# KiCad board alpha-curISO_routing.kicad_pcb
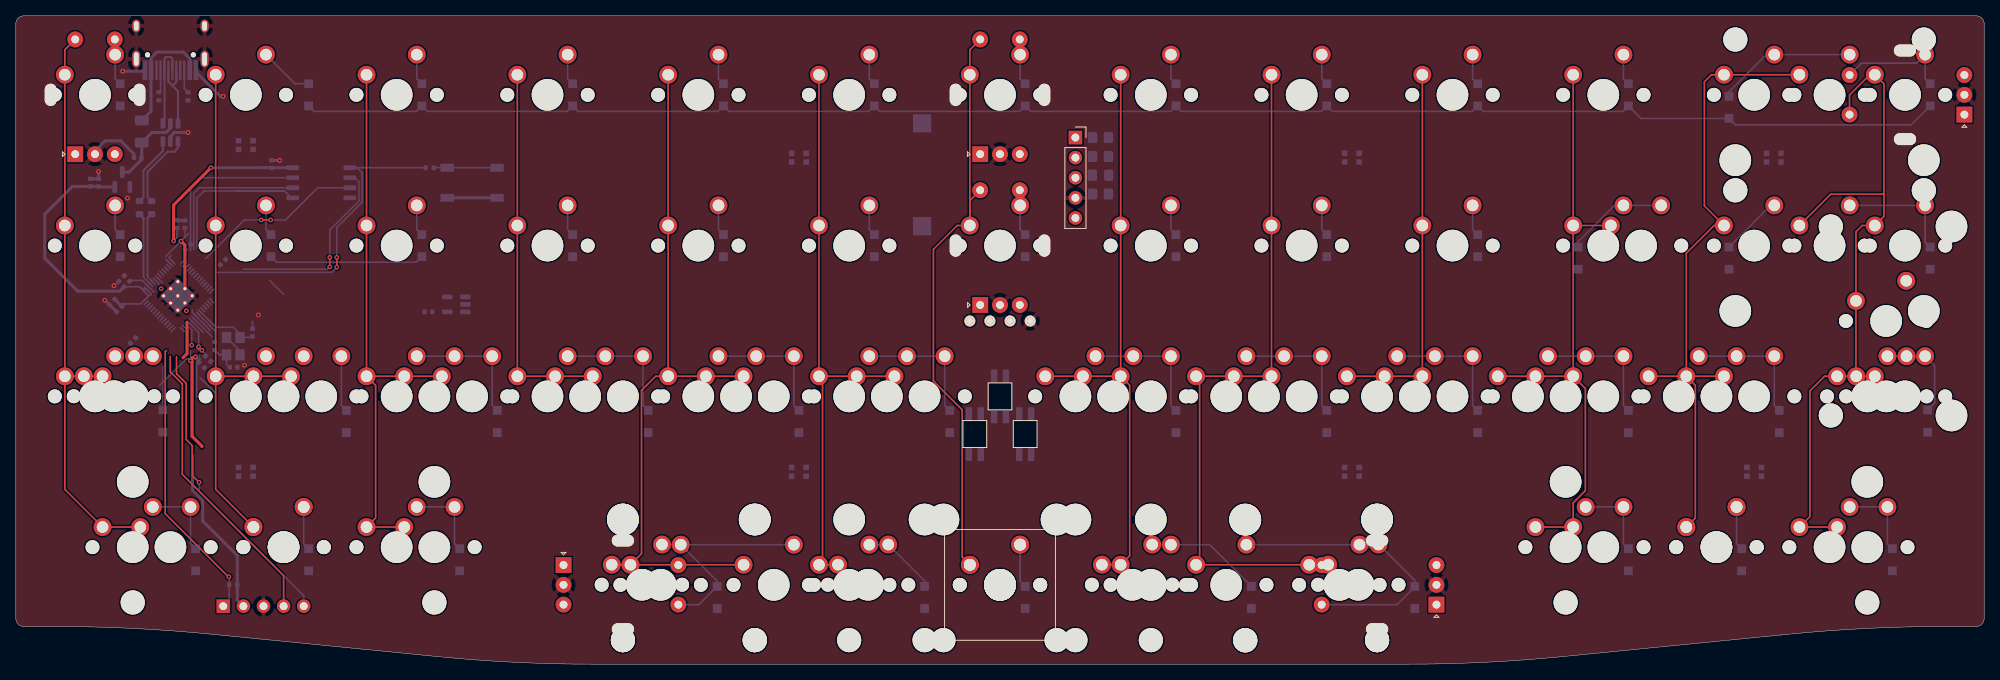
[diagram p0: board, top side]
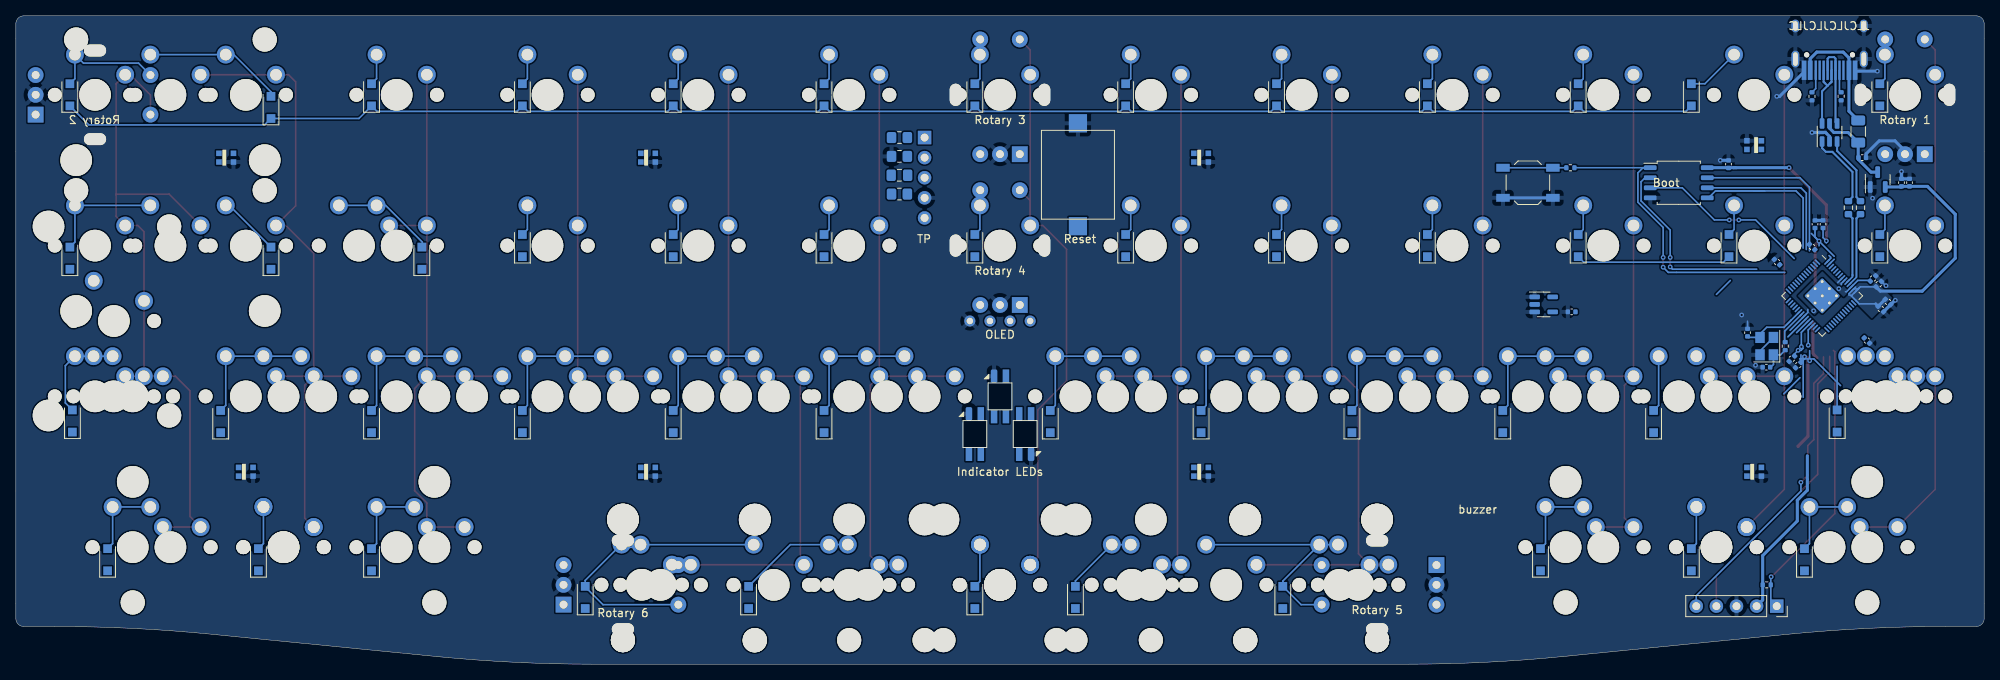
[diagram p1: board, bottom side, seen from below]

Outline 248.6 x 81.91 mm; copper layers: Top, Bottom. Coordinates in mm from the lower left corner of the outline.
Outline path: 0,80.91 0,79.03 0,64.79 0,21.88 0,5.76 arc(0.29,5.06) 1,4.76 4.89,4.76 arc(14.82,4.52) 24.74,3.78 53.18,0.97 arc(62.95,0.24) 72.74,0 175.86,0 arc(185.65,0.24) 195.42,0.97 223.86,3.78 arc(233.78,4.52) 243.72,4.76 247.6,4.76 arc(248.31,5.06) 248.6,5.76 248.6,80.91 arc(248.31,81.62) 247.6,81.91 1,81.91 arc(0.29,81.62) 0,80.91
Stack: Top 0.035mm / dielectric 1.51mm FR4 er 4.5 / Bottom 0.035mm

## Placement (name value [footprint] x y rotation side)
C1  22pF  [C_0402_1005Metric]  27.51 37.52 180 bottom
C2  22pF  [C_0402_1005Metric]  29.89 41.89 270 bottom
C3  100nF  [C_0402_1005Metric]  32.29 63.17 90 bottom
C4  1uF  [C_0402_1005Metric]  15.4 64 180 bottom
C5  1uF  [C_0402_1005Metric]  9.43 60.84 90 bottom
C6  10uF  [C_0402_1005Metric]  10.44 60.84 90 bottom
C7  1uF  [C_0402_1005Metric]  13.32 48.01 135 bottom
C8  100nF  [C_0402_1005Metric]  13.05 44.87 225 bottom
C9  100nF  [C_0402_1005Metric]  24.29 38.6 315 bottom
C10  1uF  [C_0402_1005Metric]  14.04 48.73 135 bottom
C11  100nF  [C_0402_1005Metric]  14.81 40.89 225 bottom
C12  100nF  [C_0402_1005Metric]  21.37 55.59 90 bottom
C13  100nF  [C_0402_1005Metric]  26.16 50.8 45 bottom
C14  100nF  [C_0402_1005Metric]  23.48 37.79 315 bottom
C15  100nF  [C_0402_1005Metric]  20.35 55.59 90 bottom
C16  100nF  [C_0402_1005Metric]  12.15 45.77 225 bottom
C17  100nF  [C_0402_1005Metric]  21.73 52.71 45 bottom
C18  2.2uF  [C_0805_2012Metric_Pad1.18x1.45mm_HandSolder]  137 61.77 180 bottom
C19  100nF  [C_0402_1005Metric]  52.1 44.51 180 bottom
D1  D_Small  [D_SOD-123F]  13.18 71.93 90 bottom
D2  D_Small  [D_SOD-123F]  13.18 52.88 90 bottom
D3  D_Small  [D_SOD-123F]  18.57 30.72 90 bottom
D4  D_Small  [D_SOD-123F]  22.7 13.2 90 bottom
D5  D_Small  [D_SOD-123F]  36.99 71.93 90 bottom
D6  D_Small  [D_SOD-123F]  32.23 52.88 90 bottom
D7  D_Small  [D_SOD-123F]  41.75 30.66 90 bottom
D8  D_Small  [D_SOD-123F]  36.99 13.2 90 bottom
D9  D_Small  [D_SOD-123F]  51.27 71.93 90 bottom
D10  D_Small  [D_SOD-123F]  51.27 52.88 90 bottom
D11  D_Small  [D_SOD-123F]  60.8 30.66 90 bottom
D12  D_Small  [D_SOD-123F]  56.04 13.2 90 bottom
D13  D_Small  [D_SOD-123F]  70.32 71.93 90 bottom
D14  D_Small  [D_SOD-123F]  70.32 52.88 90 bottom
D15  D_Small  [D_SOD-123F]  79.85 30.66 90 bottom
D16  D_Small  [D_SOD-123F]  89.38 71.93 90 bottom
D17  D_Small  [D_SOD-123F]  89.38 52.88 90 bottom
D18  D_Small  [D_SOD-123F]  98.9 30.66 90 bottom
D19  D_Small  [D_SOD-123F]  88.58 8.43 90 bottom
D20  D_Small  [D_SOD-123F]  108.42 71.93 90 bottom
D21  D_Small  [D_SOD-123F]  108.42 52.88 90 bottom
D22  D_Small  [D_SOD-123F]  117.95 30.66 90 bottom
D23  D_Small  [D_SOD-123F]  114.78 8.43 90 bottom
D24  D_Small  [D_SOD-123F]  127.47 8.43 90 bottom
D25  D_Small  [D_SOD-123F]  127.47 71.93 90 bottom
D26  D_Small  [D_SOD-123F]  127.47 52.88 90 bottom
D27  D_Small  [D_SOD-123F]  146.53 71.93 90 bottom
D28  D_Small  [D_SOD-123F]  146.53 52.88 90 bottom
D29  D_Small  [D_SOD-123F]  146.53 30.66 90 bottom
D30  D_Small  [D_SOD-123F]  156.05 8.43 90 bottom
D31  D_Small  [D_SOD-123F]  165.57 71.93 90 bottom
D32  D_Small  [D_SOD-123F]  165.57 52.88 90 bottom
D33  D_Small  [D_SOD-123F]  165.57 30.66 90 bottom
D34  D_Small  [D_SOD-123F]  176.69 8.43 90 bottom
D35  D_Small  [D_SOD-123F]  184.62 71.93 90 bottom
D36  D_Small  [D_SOD-123F]  184.62 52.88 90 bottom
D37  D_Small  [D_SOD-123F]  184.62 30.66 90 bottom
D38  D_Small  [D_SOD-123F]  203.67 71.93 90 bottom
D39  D_Small  [D_SOD-123F]  197.32 51.3 90 bottom
D40  D_Small  [D_SOD-123F]  203.67 30.66 90 bottom
D41  D_Small  [D_SOD-123F]  203.67 13.2 90 bottom
D42  D_Small  [D_SOD-123F]  216.38 70.35 90 bottom
D43  D_Small  [D_SOD-123F]  216.38 51.3 90 bottom
D44  D_Small  [D_SOD-123F]  222.72 30.66 90 bottom
D45  D_Small  [D_SOD-123F]  217.96 13.2 90 bottom
D46  D_Small  [D_SOD-123F]  241.78 71.93 90 bottom
D47  D_Small  [D_SOD-123F]  241.78 51.3 90 bottom
D48  D_Small  [D_SOD-123F]  241.46 30.72 90 bottom
D49  D_Small  [D_SOD-123F]  237.01 13.2 90 bottom
F1  500mA  [Fuse_1206_3216Metric]  15.91 67.3 270 bottom
J1  SWD  [PinSocket_1x05_P2.54mm_Vertical]  26.2 7.33 270 bottom
J2  SWD  [PinSocket_1x05_P2.54mm_Vertical]  133.82 66.54 0 top
LED1  YS-SK6812MINI-E  [SK6812-MINI-E]  121.12 29.07 270 bottom
LED2  YS-SK6812MINI-E  [SK6812-MINI-E]  124.3 33.83 90 bottom
LED3  YS-SK6812MINI-E  [SK6812-MINI-E]  127.47 29.07 90 bottom
LED4  YS-SK6812MINI-E  [WS2812-2020]  98.9 64 0 bottom
LED5  YS-SK6812MINI-E  [WS2812-2020]  168.75 64 0 bottom
LED6  YS-SK6812MINI-E  [WS2812-2020]  222.03 64 0 bottom
LED7  YS-SK6812MINI-E  [WS2812-2020]  219.55 24.31 0 bottom
LED8  YS-SK6812MINI-E  [WS2812-2020]  168.75 24.31 0 bottom
LED9  YS-SK6812MINI-E  [WS2812-2020]  98.9 24.31 0 bottom
LED10  YS-SK6812MINI-E  [WS2812-2020]  29.05 24.31 0 bottom
LED11  YS-SK6812MINI-E  [WS2812-2020]  29.05 65.58 180 bottom
LS1  Speaker  [AST1109MLTRQ]  114.46 61.84 90 bottom
OL1  OLED  [OLED_v2]  124.3 43.36 0 top
R1  27R  [R_0603_1608Metric]  17.14 57.68 270 bottom
R2  27R  [R_0603_1608Metric]  15.62 57.68 270 bottom
R3  1k  [R_0402_1005Metric]  27.46 10.02 180 bottom
R4  5k1  [R_0402_1005Metric]  18.06 71.74 270 bottom
R5  5k1  [R_0402_1005Metric]  21.75 71.74 270 bottom
R6  1k  [R_0402_1005Metric]  52.26 62.72 180 bottom
R7  1k  [R_0402_1005Metric]  25.13 40.18 90 bottom
SW1  SW_Push_45deg  [MXOnly-1U-NoLED]  10 71.93 0 top
SW2  SW_Push_45deg  [MXOnly-1U-NoLED]  29.05 71.93 0 top
SW3  SW_Push_45deg  [MXOnly-1U-NoLED]  48.1 71.93 0 top
SW4  SW_Push_45deg  [MXOnly-1U-NoLED]  67.15 71.93 0 top
SW5  SW_Push_45deg  [MXOnly-1U-NoLED]  86.2 71.93 0 top
SW6  SW_Push_45deg  [MXOnly-1U-NoLED]  105.25 71.93 0 top
SW7  SW_Push_45deg  [MXOnly-1U-NoLED]  124.3 71.93 0 top
SW8  SW_Push_45deg  [MXOnly-1U-NoLED]  143.35 71.93 0 top
SW9  SW_Push_45deg  [MXOnly-1U-NoLED]  162.4 71.93 0 top
SW10  SW_Push_45deg  [MXOnly-1U-NoLED]  181.45 71.93 0 top
SW11  SW_Push_45deg  [MXOnly-1U-NoLED]  200.5 71.93 0 top
SW12  SW_Push_45deg  [MXOnly-1U-NoLED]  219.55 71.93 0 top
SW12(2)1  SW_Push_45deg  [MXOnly-2U-NoLED]  229.07 71.93 0 top
SW13  SW_Push_45deg  [MXOnly-1U-NoLED]  238.6 71.93 0 top
SW14  SW_Push_45deg  [MXOnly-1U-NoLED]  10 52.88 0 top
SW15  SW_Push_45deg  [MXOnly-1U-NoLED]  29.05 52.88 0 top
SW16  SW_Push_45deg  [MXOnly-1U-NoLED]  48.1 52.88 0 top
SW17  SW_Push_45deg  [MXOnly-1U-NoLED]  67.15 52.88 0 top
SW18  SW_Push_45deg  [MXOnly-1U-NoLED]  86.2 52.88 0 top
SW19  SW_Push_45deg  [MXOnly-1U-NoLED]  105.25 52.88 0 top
SW20  SW_Push_45deg  [MXOnly-1U-NoLED]  124.3 52.88 0 top
SW21  SW_Push_45deg  [MXOnly-1U-NoLED]  143.35 52.88 0 top
SW22  SW_Push_45deg  [MXOnly-1U-NoLED]  162.4 52.88 0 top
SW23  SW_Push_45deg  [MXOnly-1U-NoLED]  181.45 52.88 0 top
SW24  SW_Push_45deg  [MXOnly-1U-NoLED]  200.5 52.88 0 top
SW24(1.5)1  SW_Push_45deg  [MXOnly-1.5U-NoLED]  205.26 52.88 0 top
SW25  SW_Push_45deg  [MXOnly-1U-NoLED]  219.55 52.88 0 top
SW26  SW_Push_45deg  [MXOnly-1U-NoLED]  238.6 52.88 0 top
SW26(2)1  SW_Push_45deg  [MXOnly-2U-NoLED]  229.07 52.88 0 top
SW26(ISO)1  SW_Push_45deg  [MXOnly-ISO-NoLED]  236.22 43.36 0 top
SW27  SW_Push  [SW_SPST_TL3342]  57.63 60.82 0 bottom
SW27(1.5)1  SW_Push_45deg  [MXOnly-1.5U-NoLED]  14.76 33.83 0 top
SW27(1.25)1  SW_Push_45deg  [MXOnly-1.25U-NoLED]  12.4 33.85 0 top
SW27(ortho)1  SW_Push_45deg  [MXOnly-1U-NoLED]  10 33.83 0 top
SW28  SW_Push_45deg  [MXOnly-1U-NoLED]  33.81 33.83 0 top
SW28(1.5stagger)1  SW_Push_45deg  [MXOnly-1U-NoLED]  38.58 33.83 0 top
SW28(ortho)1  SW_Push_45deg  [MXOnly-1U-NoLED]  29.05 33.83 0 top
SW29  SW_Push_45deg  [MXOnly-1U-NoLED]  52.86 33.83 0 top
SW29(1.5stagger)1  SW_Push_45deg  [MXOnly-1U-NoLED]  57.63 33.83 0 top
SW29(ortho)1  SW_Push_45deg  [MXOnly-1U-NoLED]  48.1 33.83 0 top
SW30  SW_Push_45deg  [MXOnly-1U-NoLED]  71.91 33.83 0 top
SW30(1.5stagger)1  SW_Push_45deg  [MXOnly-1U-NoLED]  76.68 33.83 0 top
SW30(ortho)1  SW_Push_45deg  [MXOnly-1U-NoLED]  67.15 33.83 0 top
SW31  SW_Push_45deg  [MXOnly-1U-NoLED]  90.96 33.83 0 top
SW31(1.5stagger)1  SW_Push_45deg  [MXOnly-1U-NoLED]  95.72 33.83 0 top
SW31(ortho)1  SW_Push_45deg  [MXOnly-1U-NoLED]  86.2 33.83 0 top
SW32  SW_Push_45deg  [MXOnly-1U-NoLED]  110.01 33.83 0 top
SW32(1.5stagger)1  SW_Push_45deg  [MXOnly-1U-NoLED]  114.78 33.83 0 top
SW32(ortho)1  SW_Push_45deg  [MXOnly-1U-NoLED]  105.25 33.83 0 top
SW33  SW_Push_45deg  [MXOnly-1U-NoLED]  138.59 33.83 0 top
SW33(1.5stagger)1  SW_Push_45deg  [MXOnly-1U-NoLED]  133.82 33.83 0 top
SW33(ortho)1  SW_Push_45deg  [MXOnly-1U-NoLED]  143.35 33.83 0 top
SW34  SW_Push_45deg  [MXOnly-1U-NoLED]  157.64 33.83 0 top
SW34(1.5stagger)1  SW_Push_45deg  [MXOnly-1U-NoLED]  152.88 33.83 0 top
SW34(ortho)1  SW_Push_45deg  [MXOnly-1U-NoLED]  162.4 33.83 0 top
SW35  SW_Push_45deg  [MXOnly-1U-NoLED]  176.69 33.83 0 top
SW35(1.5stagger)1  SW_Push_45deg  [MXOnly-1U-NoLED]  171.92 33.83 0 top
SW35(ortho)1  SW_Push_45deg  [MXOnly-1U-NoLED]  181.45 33.83 0 top
SW36  SW_Push_45deg  [MXOnly-1U-NoLED]  195.74 33.83 0 top
SW36(1.5stagger)1  SW_Push_45deg  [MXOnly-1U-NoLED]  190.97 33.83 0 top
SW36(ortho)1  SW_Push_45deg  [MXOnly-1U-NoLED]  200.5 33.83 0 top
SW37  SW_Push_45deg  [MXOnly-1U-NoLED]  214.79 33.83 0 top
SW37(1.5stagger)1  SW_Push_45deg  [MXOnly-1U-NoLED]  210.03 33.83 0 top
SW37(ortho)1  SW_Push_45deg  [MXOnly-1U-NoLED]  219.55 33.83 0 top
SW38(1.5)1  SW_Push_45deg  [MXOnly-1.5U-NoLED]  233.84 33.83 0 top
SW38(1.25)1  SW_Push_45deg  [MXOnly-1.25U-NoLED]  236.25 33.83 0 top
SW38(ortho)1  SW_Push_45deg  [MXOnly-1U-NoLED]  238.6 33.83 0 top
SW39  SW_Push_45deg  [MXOnly-1U-NoLED]  14.76 14.78 0 top
SW39(1.5)1  SW_Push_45deg  [MXOnly-1.5U-NoLED]  19.52 14.78 0 top
SW40  SW_Push_45deg  [MXOnly-1U-NoLED]  33.81 14.78 0 top
SW40(3)1  SW_Push_45deg  [MXOnly-3U-ReversedStabilizers-NoLED]  33.81 14.78 0 top
SW41  SW_Push_45deg  [MXOnly-1U-NoLED]  52.86 14.78 0 top
SW41(1.5)1  SW_Push_45deg  [MXOnly-1.5U-NoLED]  48.1 14.78 0 top
SW42(1.5)1  SW_Push_45deg  [MXOnly-1.5U-NoLED]  81.44 10.02 0 top
SW42(1.25)1  SW_Push_45deg  [MXOnly-1.25U-NoLED]  79.07 10.03 0 top
SW42(3)1  SW_Push_45deg  [MXOnly-3U-ReversedStabilizers-NoLED]  95.72 10.02 0 top
SW43(1.75)1  SW_Push_45deg  [MXOnly-1.75U-NoLED]  107.65 10.03 0 top
SW43(2)1  SW_Push_45deg  [MXOnly-2U-ReversedStabilizers-NoLED]  105.25 10.02 0 top
SW44(3)1  SW_Push_45deg  [MXOnly-3U-ReversedStabilizers-NoLED]  124.3 10.02 0 top
SW44(4)1  SW_Push_45deg  [CherryMX_4.00u]  124.3 10.02 0 top
SW44(6)1  SW_Push_45deg  [MXOnly-6U-Centered-ReversedStabilizers-NoLED]  124.3 10.02 0 top
SW45(1.75)1  SW_Push_45deg  [MXOnly-1.75U-NoLED]  140.98 10.03 0 top
SW45(2)1  SW_Push_45deg  [MXOnly-2U-ReversedStabilizers-NoLED]  143.35 10.02 0 top
SW46(1.5)1  SW_Push_45deg  [MXOnly-1.5U-NoLED]  167.16 10.02 0 top
SW46(1.25)1  SW_Push_45deg  [MXOnly-1.25U-NoLED]  169.56 10.03 0 top
SW46(3)1  SW_Push_45deg  [MXOnly-3U-ReversedStabilizers-NoLED]  152.88 10.02 0 top
SW47  SW_Push_45deg  [MXOnly-1U-NoLED]  195.74 14.78 0 top
SW47(1.5)1  SW_Push_45deg  [MXOnly-1.5U-NoLED]  200.5 14.78 0 top
SW48  SW_Push_45deg  [MXOnly-1U-NoLED]  214.79 14.78 0 top
SW48(3)1  SW_Push_45deg  [MXOnly-3U-ReversedStabilizers-NoLED]  214.79 14.78 0 top
SW49  SW_Push_45deg  [MXOnly-1U-NoLED]  233.84 14.78 0 top
SW49(1.5)1  SW_Push_45deg  [MXOnly-1.5U-NoLED]  229.07 14.78 0 top
SW_rotary1  RotaryEncoder_Switch  [RotaryEncoder_EC11_Nonplated]  10 71.93 90 top
SW_rotary2  RotaryEncoder_Switch  [RotaryEncoder_EC11_Nonplated]  238.6 71.93 180 top
SW_rotary3  RotaryEncoder_Switch  [RotaryEncoder_EC11_Nonplated]  124.3 71.93 90 top
SW_rotary4  RotaryEncoder_Switch  [RotaryEncoder_EC11_Nonplated]  124.3 52.88 90 top
SW_rotary5  RotaryEncoder_Switch  [RotaryEncoder_EC11_Nonplated]  76.68 10.02 0 top
SW_rotary6  RotaryEncoder_Switch  [RotaryEncoder_EC11_Nonplated]  171.92 10.02 180 top
U1  RP2040  [RP2040-QFN-56]  20.46 46.53 225 bottom
U2  W25Q128JVS  [SOIC-8_5.23x5.23mm_P1.27mm]  38.58 60.82 180 bottom
U3  XC6206PxxxMR  [SOT-23]  13.45 61.23 90 bottom
U4  USBLC6-2SC6  [SOT-23-6]  19.52 67.17 90 bottom
U5  74AHCT1G125  [TSOT-23-5]  55.63 45.45 180 bottom
UR1  100k  [R_0805_2012Metric_Pad1.20x1.40mm_HandSolder]  137 64.15 0 bottom
UR2  4.7k  [R_0805_2012Metric_Pad1.20x1.40mm_HandSolder]  137 66.54 0 bottom
UR3  4.7k  [R_0805_2012Metric_Pad1.20x1.40mm_HandSolder]  137 59.39 180 bottom
USB1  HRO-TYPE-C-31-M-12  [HRO-TYPE-C-31-M-12-HandSoldering]  19.52 83.23 0 bottom
Y1  12MHz  [Crystal_SMD_3225-4Pin_3.2x2.5mm]  27.46 40.18 90 bottom

## Footprints (pads in the part's own frame, mm; a bottom-side part is the same pattern mirrored in y, then rotated)
AST1109MLTRQ
  rect 2.3x2.3 smd: 1(-6.5,0) 2(6.5,0)
C_0402_1005Metric
  rrect 0.56x0.62 smd: 1(-0.48,0) 2(0.48,0)
C_0805_2012Metric_Pad1.18x1.45mm_HandSolder
  rrect 1.175x1.45 smd: 1(-1.038,0) 2(1.038,0)
CherryMX_4.00u
  round 3.988 hole 3.988 unplated: (-30.988,8.255) (30.988,8.23)
  round 3.048 hole 3.048 unplated: (-30.988,-6.985) (30.988,-7.01)
  round 4 hole 4 unplated: (0,0)
  round 2.2 hole 1.5: 1(-3.81,2.54) 2(2.54,5.08)
Crystal_SMD_3225-4Pin_3.2x2.5mm
  rect 1.4x1.2 smd: 1(-1.1,-0.85) 2(1.1,-0.85) 3(1.1,0.85) 4(-1.1,0.85)
D_SOD-123F
  rect 1.1x1.1 smd: 1(-1.4,0) 2(1.4,0)
Fuse_1206_3216Metric
  rrect 1.25x1.75 smd: 1(-1.4,0) 2(1.4,0)
HRO-TYPE-C-31-M-12-HandSoldering
  round 0.65 hole 0.65 unplated: (-2.89,6.25) (2.89,6.25)
  rect 0.6x2.45 smd: 1(-3.225,8.195) 2(-2.45,8.195) 11(2.45,8.195) 12(3.225,8.195)
  rect 0.3x2.45 smd: 3(-1.75,8.195) 4(-1.25,8.195) 5(-0.75,8.195) 6(-0.25,8.195) 7(0.25,8.195) 8(0.75,8.195) 9(1.25,8.195) 10(1.75,8.195)
  oval 1x1.6 hole 0.6x1.2: 13(-4.32,2.6) 13(4.32,2.6)
  oval 1x2.1 hole 0.6x1.7: 13(-4.32,6.78) 13(4.32,6.78)
MXOnly-1.5U-NoLED
  round 1.75 hole 1.75 unplated: (-5.08,0) (5.08,0)
  round 3.988 hole 3.988 unplated: (0,0)
  round 2.25 hole 1.47: 1(-3.81,2.54) 2(2.54,5.08)
MXOnly-1.25U-NoLED
  round 1.75 hole 1.75 unplated: (-5.08,0) (5.08,0)
  round 3.988 hole 3.988 unplated: (0,0)
  round 2.25 hole 1.47: 1(-3.81,2.54) 2(2.54,5.08)
MXOnly-1.75U-NoLED
  round 1.75 hole 1.75 unplated: (-5.08,0) (5.08,0)
  round 3.988 hole 3.988 unplated: (0,0)
  round 2.25 hole 1.47: 1(-3.81,2.54) 2(2.54,5.08)
MXOnly-1U-NoLED
  round 1.75 hole 1.75 unplated: (-5.08,0) (5.08,0)
  round 3.988 hole 3.988 unplated: (0,0)
  round 2.25 hole 1.47: 1(-3.81,2.54) 2(2.54,5.08)
MXOnly-2U-NoLED
  round 3.048 hole 3.048 unplated: (-11.906,6.985) (11.906,6.985)
  round 3.988 hole 3.988 unplated: (-11.906,-8.255) (0,0) (11.906,-8.255)
  round 1.75 hole 1.75 unplated: (-5.08,0) (5.08,0)
  round 2.25 hole 1.47: 1(-3.81,2.54) 2(2.54,5.08)
MXOnly-2U-ReversedStabilizers-NoLED
  round 3.988 hole 3.988 unplated: (-11.906,8.255) (0,0) (11.906,8.255)
  round 3.048 hole 3.048 unplated: (-11.906,-6.985) (11.906,-6.985)
  round 1.75 hole 1.75 unplated: (-5.08,0) (5.08,0)
  round 2.25 hole 1.47: 1(-3.81,2.54) 2(2.54,5.08)
MXOnly-3U-ReversedStabilizers-NoLED
  round 3.988 hole 3.988 unplated: (-19.05,8.255) (0,0) (19.05,8.255)
  round 3.048 hole 3.048 unplated: (-19.05,-6.985) (19.05,-6.985)
  round 1.75 hole 1.75 unplated: (-5.08,0) (5.08,0)
  round 2.25 hole 1.47: 1(-3.81,2.54) 2(2.54,5.08)
MXOnly-6U-Centered-ReversedStabilizers-NoLED
  round 3.988 hole 3.988 unplated: (-47.625,8.255) (0,0) (47.625,8.255)
  round 3.048 hole 3.048 unplated: (-47.625,-6.985) (47.625,-6.985)
  round 1.75 hole 1.75 unplated: (-5.08,0) (5.08,0)
  round 2.25 hole 1.47: 1(-3.81,2.54) 2(2.54,5.08)
MXOnly-ISO-NoLED
  round 3.048 hole 3.048 unplated: (-6.985,11.938) (-6.985,-11.938)
  round 1.75 hole 1.75 unplated: (-5.08,0) (5.08,0)
  round 3.988 hole 3.988 unplated: (0,0) (8.255,11.938) (8.255,-11.938)
  round 2.25 hole 1.47: 1(-3.81,2.54) 2(2.54,5.08)
OLED_v2
  round 1.397 hole 0.813: 1(-3.81,0) 2(-1.27,0) 3(1.27,0) 4(3.81,0)
PinSocket_1x05_P2.54mm_Vertical
  rect 1.7x1.7 hole 1: 1(0,0)
  oval 1.7x1.7 hole 1: 2(0,-2.54) 3(0,-5.08) 4(0,-7.62) 5(0,-10.16)
R_0402_1005Metric
  rrect 0.54x0.64 smd: 1(-0.51,0) 2(0.51,0)
R_0603_1608Metric
  rrect 0.8x0.95 smd: 1(-0.825,0) 2(0.825,0)
R_0805_2012Metric_Pad1.20x1.40mm_HandSolder
  rrect 1.2x1.4 smd: 1(-1,0) 2(1,0)
RotaryEncoder_EC11_Nonplated
  oval 3.2x2 hole 2.8x1.5 unplated: (0,5.6) (0,-5.6)
  rect 2x2 hole 1: A(-7.5,2.5)
  round 2 hole 1: B(-7.5,-2.5) C(-7.5,0) S1(7,-2.5) S2(7,2.5)
RP2040-QFN-56
  rrect 1.084x1.084 smd: (-0.637,-0.637) (-0.637,0.637) (0.637,-0.637) (0.637,0.637)
  rrect 0.875x0.2 smd: 1(-3.438,2.6) 2(-3.438,2.2) 3(-3.438,1.8) 4(-3.438,1.4) 5(-3.438,1) 6(-3.438,0.6) 7(-3.438,0.2) 8(-3.438,-0.2) 9(-3.438,-0.6) 10(-3.438,-1) 11(-3.438,-1.4) 12(-3.438,-1.8) 13(-3.438,-2.2) 14(-3.438,-2.6) 29(3.438,-2.6) 30(3.438,-2.2) 31(3.438,-1.8) 32(3.438,-1.4) 33(3.438,-1) 34(3.438,-0.6) 35(3.438,-0.2) 36(3.438,0.2) 37(3.438,0.6) 38(3.438,1) 39(3.438,1.4) 40(3.438,1.8) 41(3.438,2.2) 42(3.438,2.6)
  rrect 0.2x0.875 smd: 15(-2.6,-3.438) 16(-2.2,-3.438) 17(-1.8,-3.438) 18(-1.4,-3.438) 19(-1,-3.438) 20(-0.6,-3.438) 21(-0.2,-3.438) 22(0.2,-3.438) 23(0.6,-3.438) 24(1,-3.438) 25(1.4,-3.438) 26(1.8,-3.438) 27(2.2,-3.438) 28(2.6,-3.438) 43(2.6,3.438) 44(2.2,3.438) 45(1.8,3.438) 46(1.4,3.438) 47(1,3.438) 48(0.6,3.438) 49(0.2,3.438) 50(-0.2,3.438) 51(-0.6,3.438) 52(-1,3.438) 53(-1.4,3.438) 54(-1.8,3.438) 55(-2.2,3.438) 56(-2.6,3.438)
  round 0.6 hole 0.35: 57(-1.275,-1.275) 57(-1.275,0) 57(-1.275,1.275) 57(0,-1.275) 57(0,0) 57(0,1.275) 57(1.275,-1.275) 57(1.275,0) 57(1.275,1.275)
  rrect 3.2x3.2 smd: 57(0,0)
SK6812-MINI-E
  rect 1.7x0.82 smd: 1(-2.55,-0.75) 2(-2.55,0.75) 4(2.55,-0.75)
  rrect 1.7x0.82 smd: 3(2.55,0.75)
SOIC-8_5.23x5.23mm_P1.27mm
  rrect 1.6x0.6 smd: 1(-3.6,1.905) 2(-3.6,0.635) 3(-3.6,-0.635) 4(-3.6,-1.905) 5(3.6,-1.905) 6(3.6,-0.635) 7(3.6,0.635) 8(3.6,1.905)
SOT-23
  rrect 1.475x0.6 smd: 1(-0.938,0.95) 2(-0.938,-0.95) 3(0.938,0)
SOT-23-6
  rrect 1.325x0.6 smd: 1(-1.137,0.95) 2(-1.137,0) 3(-1.137,-0.95) 4(1.137,-0.95) 5(1.137,0) 6(1.137,0.95)
SW_SPST_TL3342
  rect 1.7x1 smd: 1(-3.15,1.9) 1(3.15,1.9) 2(-3.15,-1.9) 2(3.15,-1.9)
TSOT-23-5
  rrect 1.325x0.6 smd: 1(-1.137,0.95) 2(-1.137,0) 3(-1.137,-0.95) 4(1.137,-0.95) 5(1.137,0.95)
WS2812-2020
  rect 0.7x0.7 smd: 1(0.915,-0.55) 2(0.915,0.55) 3(-0.915,0.55) 4(-0.915,-0.55)

## Nets
+1V1: C10.1 C12.1 C14.1 U1.23 U1.45 U1.50
+3V3: C3.1 C5.1 C6.1 C7.1 C8.1 C9.1 C11.1 C13.1 C15.1 C16.1 C17.1 J1.2 R3.1 U1.1 U1.10 U1.22 U1.33 U1.42 U1.43 U1.44 U1.48 U1.49 U2.8 U3.2
+5V: C4.1 C18.1 C19.2 F1.2 J2.5 LED1.1 LED2.1 LED3.1 LED4.1 LED5.1 LED6.1 LED7.1 LED8.1 LED9.1 LED10.1 LED11.1 OL1.3 U3.3 U4.5 U5.5 UR2.2 UR3.1
GND: C1.1 C2.1 C3.2 C4.2 C5.2 C6.2 C7.2 C8.2 C9.2 C10.2 C11.2 C12.2 C13.2 C14.2 C15.2 C16.2 C17.2 C19.1 J1.3 J2.4 LED1.3 LED2.3 LED3.3 LED4.3 LED5.3 LED6.3 LED7.3 LED8.3 LED9.3 LED10.3 LED11.3 LS1.2 OL1.4 R4.2 R5.2 SW27.1 SW_rotary1.C SW_rotary2.C SW_rotary3.C SW_rotary4.C SW_rotary5.C SW_rotary6.C U1.19 U1.57 U2.4 U3.1 U4.2 U5.1 U5.3 UR1.2 USB1.1 USB1.12 USB1.13 Y1.2 Y1.4
VBUS: F1.1 USB1.2 USB1.11
/D_+: R1.2 U1.47
/D_-: R2.2 U1.46
/rp2040 components/CC1: R4.1 USB1.4
/rp2040 components/CC2: R5.1 USB1.10
/rp2040 components/USB_BOOT: R6.1 SW27.2
/rp2040 components/XTAL_O: C1.2 R7.1 Y1.1
COL0: SW1.1 SW14.1 SW27(1.5)1.1 SW27(1.25)1.1 SW27(ortho)1.1 SW39.1 SW39(1.5)1.1 SW_rotary1.S2 U1.5
COL1: SW2.1 SW15.1 SW28.1 SW28(1.5stagger)1.1 SW28(ortho)1.1 SW40.1 SW40(3)1.1 U1.4
COL2: SW3.1 SW16.1 SW29.1 SW29(1.5stagger)1.1 SW29(ortho)1.1 SW41.1 SW41(1.5)1.1 U1.3
COL3: SW4.1 SW17.1 SW30.1 SW30(1.5stagger)1.1 SW30(ortho)1.1 U1.2
COL4: SW5.1 SW18.1 SW31.1 SW31(1.5stagger)1.1 SW31(ortho)1.1 SW42(1.5)1.1 SW42(1.25)1.1 SW42(3)1.1 SW_rotary5.S2 U1.11
COL5: SW6.1 SW19.1 SW32.1 SW32(1.5stagger)1.1 SW32(ortho)1.1 SW43(1.75)1.1 SW43(2)1.1 U1.13
COL6: SW7.1 SW20.1 SW44(3)1.1 SW44(4)1.1 SW44(6)1.1 SW_rotary3.S2 SW_rotary4.S2 U1.12
COL7: SW8.1 SW21.1 SW33.1 SW33(1.5stagger)1.1 SW33(ortho)1.1 SW45(1.75)1.1 SW45(2)1.1 U1.9
COL8: SW9.1 SW22.1 SW34.1 SW34(1.5stagger)1.1 SW34(ortho)1.1 SW46(1.5)1.1 SW46(1.25)1.1 SW46(3)1.1 SW_rotary6.S1 U1.8
COL9: SW10.1 SW23.1 SW35.1 SW35(1.5stagger)1.1 SW35(ortho)1.1 U1.7
COL10: SW11.1 SW24.1 SW24(1.5)1.1 SW36.1 SW36(1.5stagger)1.1 SW36(ortho)1.1 SW47.1 SW47(1.5)1.1 U1.6
COL11: SW12.1 SW12(2)1.1 SW25.1 SW37.1 SW37(1.5stagger)1.1 SW37(ortho)1.1 SW48.1 SW48(3)1.1 U1.15
COL12: SW13.1 SW26.1 SW26(2)1.1 SW26(ISO)1.1 SW38(1.5)1.1 SW38(1.25)1.1 SW38(ortho)1.1 SW49.1 SW49(1.5)1.1 SW_rotary2.S2 U1.16
CS: R6.2 U1.56 U2.1
D_N: R2.1 U4.3
D_P: R1.1 U4.1
D_USB_N: U4.4 USB1.5 USB1.7
D_USB_P: U4.6 USB1.6 USB1.8
PD2: J2.1 SW_rotary3.B U1.17 UR2.1
PD5: J2.3 SW_rotary3.A U1.18 UR3.2
QSPI_CLK: U1.52 U2.6
R1_A: SW_rotary1.A U1.40
R1_B: SW_rotary1.B U1.39
R2_A: SW_rotary2.A U1.28
R2_B: SW_rotary2.B U1.29
R5_A: LS1.1 SW_rotary5.A U1.37
R5_B: SW_rotary5.B U1.38
R6_A: SW_rotary6.A U1.30
R6_B: SW_rotary6.B U1.31
R_col6: D34.2 SW46(1.5)1.2 SW46(1.25)1.2 SW46(3)1.2 SW_rotary6.S2
R_row1: D1.2 SW1.2 SW_rotary1.S1
R_row2: D46.2 SW13.2 SW_rotary2.S1
R_row3: D25.2 SW7.2 SW_rotary3.S1
R_row4: D26.2 SW20.2 SW_rotary4.S1
R_row5: D19.2 SW42(1.5)1.2 SW42(1.25)1.2 SW42(3)1.2 SW_rotary5.S1
RESET: J1.1 R3.2 U1.26
rgb indicators: LED1.4 LED11.2
RGB MCU: U1.27 U5.2
rgb underglow: LED4.4 U5.4
ROW0: D1.1 D5.1 D9.1 D13.1 D16.1 D20.1 D25.1 D27.1 D31.1 D35.1 D38.1 D42.1 D46.1 U1.14
ROW1: D2.1 D6.1 D10.1 D14.1 D17.1 D21.1 D26.1 D28.1 D32.1 D36.1 D39.1 D43.1 D47.1 U1.41
ROW2: D3.1 D7.1 D11.1 D15.1 D18.1 D22.1 D29.1 D33.1 D37.1 D40.1 D44.1 D48.1 U1.35
ROW3: D4.1 D8.1 D12.1 D19.1 D23.1 D24.1 D30.1 D34.1 D41.1 D45.1 D49.1 U1.36
SCL: OL1.2 SW_rotary4.B U1.32
SD0: U1.53 U2.5
SD1: U1.55 U2.2
SD2: U1.54 U2.3
SD3: U1.51 U2.7
SDA: OL1.1 SW_rotary4.A U1.34
SWCLK: J1.5 U1.24
SWD: J1.4 U1.25
XTAL_IN: C2.2 U1.20 Y1.3
XTAL_OUT: R7.2 U1.21
Net-(C18-Pad2): C18.2 J2.2 UR1.1
Net-(D2-Pad2): D2.2 SW14.2
Net-(D3-Pad2): D3.2 SW27(1.5)1.2 SW27(1.25)1.2 SW27(ortho)1.2
Net-(D4-Pad2): D4.2 SW39.2 SW39(1.5)1.2
Net-(D5-Pad2): D5.2 SW2.2
Net-(D6-Pad2): D6.2 SW15.2
Net-(D7-Pad2): D7.2 SW28.2 SW28(1.5stagger)1.2 SW28(ortho)1.2
Net-(D8-Pad2): D8.2 SW40.2 SW40(3)1.2
Net-(D9-Pad2): D9.2 SW3.2
Net-(D10-Pad2): D10.2 SW16.2
Net-(D11-Pad2): D11.2 SW29.2 SW29(1.5stagger)1.2 SW29(ortho)1.2
Net-(D12-Pad2): D12.2 SW41.2 SW41(1.5)1.2
Net-(D13-Pad2): D13.2 SW4.2
Net-(D14-Pad2): D14.2 SW17.2
Net-(D15-Pad2): D15.2 SW30.2 SW30(1.5stagger)1.2 SW30(ortho)1.2
Net-(D16-Pad2): D16.2 SW5.2
Net-(D17-Pad2): D17.2 SW18.2
Net-(D18-Pad2): D18.2 SW31.2 SW31(1.5stagger)1.2 SW31(ortho)1.2
Net-(D20-Pad2): D20.2 SW6.2
Net-(D21-Pad2): D21.2 SW19.2
Net-(D22-Pad2): D22.2 SW32.2 SW32(1.5stagger)1.2 SW32(ortho)1.2
Net-(D23-Pad2): D23.2 SW43(1.75)1.2 SW43(2)1.2
Net-(D24-Pad2): D24.2 SW44(3)1.2 SW44(4)1.2 SW44(6)1.2
Net-(D27-Pad2): D27.2 SW8.2
Net-(D28-Pad2): D28.2 SW21.2
Net-(D29-Pad2): D29.2 SW33.2 SW33(1.5stagger)1.2 SW33(ortho)1.2
Net-(D30-Pad2): D30.2 SW45(1.75)1.2 SW45(2)1.2
Net-(D31-Pad2): D31.2 SW9.2
Net-(D32-Pad2): D32.2 SW22.2
Net-(D33-Pad2): D33.2 SW34.2 SW34(1.5stagger)1.2 SW34(ortho)1.2
Net-(D35-Pad2): D35.2 SW10.2
Net-(D36-Pad2): D36.2 SW23.2
Net-(D37-Pad2): D37.2 SW35.2 SW35(1.5stagger)1.2 SW35(ortho)1.2
Net-(D38-Pad2): D38.2 SW11.2
Net-(D39-Pad2): D39.2 SW24.2 SW24(1.5)1.2
Net-(D40-Pad2): D40.2 SW36.2 SW36(1.5stagger)1.2 SW36(ortho)1.2
Net-(D41-Pad2): D41.2 SW47.2 SW47(1.5)1.2
Net-(D42-Pad2): D42.2 SW12.2 SW12(2)1.2
Net-(D43-Pad2): D43.2 SW25.2
Net-(D44-Pad2): D44.2 SW37.2 SW37(1.5stagger)1.2 SW37(ortho)1.2
Net-(D45-Pad2): D45.2 SW48.2 SW48(3)1.2
Net-(D47-Pad2): D47.2 SW26.2 SW26(2)1.2 SW26(ISO)1.2
Net-(D48-Pad2): D48.2 SW38(1.5)1.2 SW38(1.25)1.2 SW38(ortho)1.2
Net-(D49-Pad2): D49.2 SW49.2 SW49(1.5)1.2
Net-(LED1-Pad2): LED1.2 LED2.4
Net-(LED2-Pad2): LED2.2 LED3.4
Net-(LED4-Pad2): LED4.2 LED5.4
Net-(LED5-Pad2): LED5.2 LED6.4
Net-(LED6-Pad2): LED6.2 LED7.4
Net-(LED7-Pad2): LED7.2 LED8.4
Net-(LED8-Pad2): LED8.2 LED9.4
Net-(LED10-Pad2): LED10.2 LED11.4
Net-(LED10-Pad4): LED9.2 LED10.4

Pads without a net: LED3 2; USB1 3 9

## Via types
v1: diameter 0.6, hole 0.3, Top to Bottom, 28 vias

## Routing (per net, layer and track width the routed paths; a pad name or vN(x,y) marks a point on that pad's centre or on a via; arc(x,y) is an arc through that point)
+1V1: length 22.3
  Top w0.381: 21.11,38.72 21.62,39.23 21.62,43.19 ; 21.35,47.41 21.35,52.96 v1(20.86,53.45)
  Bottom w0.2: 20.86,52.87 v1(20.86,53.45) 21.37,53.96 C12.1 ; C10.1 14.47,48.49 15.96,48.49 U1.45 17.39,47.05 17.51,47.05 ; U1.23 24.79,41.35 ; 23.14,39.07 C14.1 22.69,38.58 v1(22.69,38.85)
  vias: v1(18.36,47.43) v1(21.54,44.64)
+3V3: length 102.7
  Top w0.381: v1(24.64,62.73) 19.93,58.02 v1(19.93,53.48) ; 23.5,27.5 23.5,27.55 22.26,28.79 22.26,38.72
  Bottom w0.2: 15.81,47.51 15.91,47.41 U1.44 17.06,46.81 17.06,46.6 ; 15.81,47.51 U1.43 16.7,46.61 16.7,46.6 ; 15.81,47.51 15.64,47.67 C7.1 ; 22.87,39.91 23.13,39.65 v1(23.5,39.65) 23.95,39.2 C9.1 ; 13.7,45.52 15.77,45.52 U1.42 16.85,46.6 16.88,46.6 ; 19.93,53.22 v1(19.93,53.48) 20.35,53.9 C15.1 ; 18.05,47.95 18.05,48.09 U1.48 ; U1.49 18.49,48.22 ; 22.27,44.81 22.27,44.43 U1.22 24.52,42.19
  Bottom w0.381: 13.7,45.52 C8.1 C16.1 ; U3.2 10.52,60.29 C6.1 C5.1 ; J1.2 27.97,8.1 R3.1 27.97,13.72 23.6,18.09 23.6,20.71 22.33,21.98 22.33,26.33 ; v1(24.64,62.73) 31.65,62.73 ; 31.65,62.73 31.27,62.73 ; 31.65,62.73 U2.8 ; C5.1 9.48,60.41 ; C5.1 7.16,60.36 3.65,56.85 3.65,51.3 7.81,47.13 13.12,47.13 C7.1
+5V: length 10.2
  Bottom w0.381: 15.91,64.02 F1.2 17.19,67.18 18.99,67.18 19.52,67.72 U4.5 ; U3.3 14.29,62.16 15.88,63.75 15.88,64
GND: length 34.4
  Bottom w0.2: C7.2 12.45,47.82 v1(12.39,47.82) ; Y1.2 26.61,41.26 28.31,39.56 ; 29.89,43.33 C2.1
  Bottom w0.381: C4.2 14.92,64.46 13.26,66.12 11.27,66.12 10,64.85 SW_rotary1.C ; v1(11.23,45.97) 11.27,45.97 C16.2 C8.2 ; v1(26.19,71.74) 25.83,71.74 22.75,74.82 USB1.12 ; C15.2 C12.2 ; v1(10.44,62.24) C6.2 C5.2 ; v1(13.49,74.92) 16.18,74.92 USB1.1 ; SW27.1 SW27.1 ; v1(33.33,63.65) 33.32,63.65 C3.2 ; v1(21.75,67.17) 20.03,67.17 19.52,66.67 U4.2
  vias: v1(14.1,58.88) v1(28.88,37.77) v1(30.62,44.12)
VBUS: length 15.4
  Bottom w0.381: F1.1 17.08,69.87 USB1.2 17.08,76.59 17.81,77.33 21.14,77.33 21.98,76.49 USB1.11
/D_+: length 9.1
  Bottom w0.2: 16.63,49.14 16.63,48.94 17.32,48.25 U1.47
  Bottom w0.254: 16.63,56.33 16.63,56.33 16.63,49.14 16.63,49.14 ; R1.2 16.63,56.34
/D_-: length 9.3
  Bottom w0.2: 16.19,48.82 U1.46
  Bottom w0.254: 16.12,56.32 16.13,56.31 16.13,48.92 ; R2.2 16.13,56.34
/rp2040 components/CC1: length 2.9
  Bottom w0.2: R4.1 18.27,72.46 USB1.4
/rp2040 components/CC2: length 3
  Bottom w0.2: USB1.10 21.27,72.72 R5.1
/rp2040 components/USB_BOOT: length 8
  Bottom w0.2: R6.1 54.47,62.72 SW27.2 SW27.2
/rp2040 components/XTAL_O: length 3.5
  Bottom w0.2: R7.1 25.72,39.08 Y1.1 26.61,37.86 26.95,37.52 C1.2
COL0: length 73.7
  Top w0.2: SW27(ortho)1.1 SW27(1.5)1.1 ; SW27(ortho)1.1 6.19,22.09 SW39.1 SW39(1.5)1.1 ; SW27(ortho)1.1 SW14.1 SW1.1 6.19,77.62 SW_rotary1.S2
COL1: length 68.6
  Top w0.2: SW40.1 25.24,22.09 SW28(ortho)1.1 ; SW28(ortho)1.1 SW15.1 SW2.1 ; SW28(ortho)1.1 SW28(1.5stagger)1.1
COL2: length 72.4
  Top w0.2: SW29(ortho)1.1 45.44,35.22 45.44,18.47 SW41(1.5)1.1 SW41.1 ; SW29(ortho)1.1 SW29(1.5stagger)1.1 ; SW29(ortho)1.1 SW3.1
COL3: length 47.6
  Top w0.2: SW30(1.5stagger)1.1 SW30(ortho)1.1 SW4.1
COL4: length 91
  Top w0.2: SW42(3)1.1 75.27,12.56 SW42(1.25)1.1 ; SW5.1 SW31(ortho)1.1 ; SW31(ortho)1.1 SW31(1.5stagger)1.1 ; SW31(ortho)1.1 80.8,36.37 79.02,34.6 79.02,13.96 SW42(1.5)1.1
COL5: length 74.2
  Top w0.2: SW32(ortho)1.1 SW32(1.5stagger)1.1 ; SW32(ortho)1.1 101.88,35.93 101.88,13 SW43(2)1.1 103.82,12.56 SW43(1.75)1.1 ; SW32(ortho)1.1 SW6.1
COL6: length 76.7
  Top w0.2: SW20.1 120.49,58.57 SW_rotary4.S2 ; SW20.1 118.9,55.42 115.89,52.41 115.89,35.77 119.53,32.13 119.53,13.53 SW44(4)1.1 ; SW20.1 SW7.1 120.49,77.62 SW_rotary3.S2
COL7: length 74.8
  Top w0.2: SW33(ortho)1.1 SW33(1.5stagger)1.1 ; SW33(ortho)1.1 SW21.1 SW8.1 ; SW33(ortho)1.1 140.68,35.23 140.68,13.7 SW45(2)1.1 137.19,12.56 SW45(1.75)1.1
COL8: length 90.9
  Top w0.2: SW9.1 SW22.1 SW34(ortho)1.1 SW34(1.5stagger)1.1 149.51,35.93 149.51,13 SW46(3)1.1 165.73,12.56 SW46(1.25)1.1 163.37,12.57 SW46(1.5)1.1
COL9: length 47.6
  Top w0.2: SW35(1.5stagger)1.1 SW35(ortho)1.1 SW23.1 SW10.1
COL10: length 77.5
  Top w0.2: SW36(ortho)1.1 SW36(1.5stagger)1.1 ; SW36(ortho)1.1 198.23,34.83 198.23,21.92 196.69,20.38 SW47(1.5)1.1 SW47.1 ; SW36(ortho)1.1 SW24.1 ; SW11.1 SW24.1 ; SW24.1 SW24(1.5)1.1
COL11: length 82.8
  Top w0.2: SW37(1.5stagger)1.1 SW37(ortho)1.1 ; SW12(2)1.1 SW12.1 214.15,74.47 213.26,73.59 213.26,57.9 SW25.1 214.49,55.42 210.98,51.91 SW37.1 212.12,35.23 212.12,18.46 SW48.1
COL12: length 91.5
  Top w0.2: 235.94,59.35 235.91,59.39 229.23,59.39 SW26(2)1.1 ; 235.94,59.35 235.94,73.32 SW13.1 234.16,74.47 231.6,71.92 SW_rotary2.S2 ; 235.94,59.35 235.94,56.57 SW26.1 233.2,55.42 232.41,54.63 SW26(ISO)1.1 232.41,36.4 SW38(1.25)1.1 ; SW49.1 SW49(1.5)1.1 226.6,18.66 226.6,34.53 228.44,36.37 SW38(1.5)1.1 SW38(ortho)1.1
CS: length 41.4
  Top w0.2: v1(40.54,51.39) v1(40.54,50.15)
  Bottom w0.2: R6.2 51.74,62.73 U2.1 43.08,62.73 43.74,62.07 43.74,58.37 40.54,55.17 v1(40.54,51.39) ; 25.18,49.5 39.89,49.5 v1(40.54,50.15) ; 19.59,51.62 19.4,51.42 19.4,51.27 U1.56
D_N: length 8.8
  Bottom w0.254: U4.3 18.58,64.85 16.13,62.4 16.13,59.01 R2.1
D_P: length 9.8
  Bottom w0.254: U4.1 20.48,65.2 20.01,64.73 19.17,64.73 16.63,62.19 16.63,59.01 R1.1
D_USB_N: length 10.9
  Bottom w0.254: U4.4 18.77,68.51 USB1.5 18.77,76.52 18.95,76.7 19.59,76.7 19.77,76.51 USB1.7
D_USB_P: length 9.9
  Bottom w0.254: U4.6 20.48,72.38 19.78,73.08 ; 19.27,73.58 19.46,73.39 ; 19.27,73.58 19.78,73.08 ; 19.27,73.58 USB1.6 ; 20.1,73.39 20.27,73.57 ; 20.27,73.57 19.78,73.08 ; 20.27,73.57 USB1.8
QSPI_CLK: length 19.9
  Bottom w0.2: U2.6 23.14,60.19 22.46,59.5 22.46,52.39
R_col6: length 36.7
  Bottom w0.2: SW_rotary6.S2 174.44,7.52 176.69,9.77 D34.2 176.69,10.58 172.5,14.77 170.03,14.77 SW46(1.5)1.2 SW46(3)1.2
R_row1: length 5.9
  Bottom w0.2: SW_rotary1.S1 12.5,77.05 SW1.2 12.54,73.97 D1.2
R_row2: length 14.6
  Bottom w0.2: D46.2 241.14,73.97 SW13.2 240.06,75.93 233.1,75.93 SW_rotary2.S1
R_row3: length 5.9
  Bottom w0.2: D25.2 126.84,73.97 SW7.2 126.8,77.05 SW_rotary3.S1
R_row4: length 5.9
  Bottom w0.2: D26.2 126.84,54.92 SW20.2 126.8,58 SW_rotary4.S1
R_row5: length 29.7
  Bottom w0.2: SW42(3)1.2 81.62,15.1 SW42(1.25)1.2 ; SW42(1.5)1.2 88.58,10.5 D19.2 86.27,7.52 SW_rotary5.S1
RESET: length 38.8
  Top w0.2: v1(26.9,11.04) 26.85,11.04 18.87,19.02 18.87,39.47 19.03,39.64
  Bottom w0.2: J1.1 26.95,8.08 R3.2 26.95,10.99 v1(26.9,11.04) ; U1.26 22.22,42.23 v1(22.22,40.3)
ROW0: length 212
  Bottom w0.2: D46.1 239.37,68.13 217.19,68.13 D42.1 205.26,68.95 D38.1 202.98,69.84 185.32,69.84 D35.1 183.93,69.84 166.27,69.84 D31.1 164.88,69.84 147.22,69.84 D27.1 145.83,69.84 128.17,69.84 D25.1 126.78,69.84 109.12,69.84 D20.1 107.73,69.84 90.07,69.84 D16.1 88.68,69.84 71.02,69.84 D13.1 69.63,69.84 51.97,69.84 D9.1 50.58,69.84 37.68,69.84 D5.1
ROW1: length 19.6
  Bottom w0.2: D10.1 50.58,50.79 32.92,50.79 D6.1
SD0: length 26
  Bottom w0.2: 28.35,59.79 29.09,59.79 ; 29.09,59.79 33.81,59.79 ; 29.09,59.79 23.76,59.79 22.86,58.89 22.86,52.56 ; 27.72,59.79 33.94,59.79 34.81,58.92 U2.5
SD1: length 29.7
  Top w0.2: v1(39.65,50.19) v1(39.65,51.39)
  Bottom w0.2: 42.18,61.46 42.83,61.46 43.34,60.95 43.34,58.53 39.65,54.85 v1(39.65,51.39) ; v1(39.65,50.19) 39.37,49.9 28.73,49.9 ; U1.55 18.95,51.15 ; 18.95,51.54 21.82,54.41
SD2: length 21.9
  Top w0.2: v1(30.99,56.12) v1(32.19,56.12)
  Bottom w0.2: 23.99,51.25 28.86,56.12 v1(30.99,56.12) ; U2.3 38.13,60.19 34.07,56.12 v1(32.19,56.12)
SD3: length 21.4
  Bottom w0.2: 34.98,61.46 23.27,61.46 22.06,60.25 22.06,52.23
SWCLK: length 41.5
  Top w0.2: v1(23.14,22.97) 22.28,23.84 22.28,27.61 21.52,28.37 21.52,35.48 20.3,36.7 20.3,38.82
  Bottom w0.2: J1.5 36.36,8.64 23.14,21.86 v1(23.14,22.97) ; 22.04,39.61 v1(22.04,38.34) ; U1.24 23.69,41.88
SWD: length 41
  Top w0.2: J1.4 33.82,11.18 21.02,23.98 21.02,35.41 19.5,36.93 19.5,38.89
  Bottom w0.2: U1.25 23.09,41.92 23.09,40.12 v1(23.08,40.1)
XTAL_IN: length 14.4
  Bottom w0.2: C2.2 29.76,41.28 Y1.3 28.31,41.71 27.46,42.56 25.27,42.56 24.38,43.45 ; 24.98,42.85 24.38,43.45 ; 24.38,43.45 U1.20 ; 33.81,46.72 32.06,48.47 ; 25.3,34.15 23.27,36.18
XTAL_OUT: length 4.5
  Bottom w0.2: 25.05,40.69 R7.2 25.19,40.75 25.19,42.08 U1.21
Net-(D2-Pad2): length 3.9
  Bottom w0.2: D2.2 12.54,54.92 SW14.2
Net-(D3-Pad2): length 17.3
  Bottom w0.2: 22.86,38.97 22.86,33.73 ; 18.57,37.64 D3.2 ; 18.14,35.2 21.51,38.56 23.3,38.56
Net-(D4-Pad2): length 10.3
  Bottom w0.2: 22.7,14.6 22.07,15.23 SW39(1.5)1.2 SW39.2
Net-(D5-Pad2): length 6.9
  Bottom w0.2: SW2.2 35.27,73.33 D5.2
Net-(D6-Pad2): length 3.9
  Bottom w0.2: D6.2 31.59,54.92 SW15.2
Net-(D7-Pad2): length 7.1
  Bottom w0.2: D7.2 41.12,32.69 SW28(1.5stagger)1.2
Net-(D8-Pad2): length 5.5
  Bottom w0.2: SW40.2 36.35,15.23 36.99,14.6
Net-(D9-Pad2): length 3.9
  Bottom w0.2: D9.2 50.64,73.97 SW3.2
Net-(D10-Pad2): length 3.9
  Bottom w0.2: SW16.2 50.64,54.92 D10.2
Net-(D11-Pad2): length 16.6
  Bottom w0.2: SW29(ortho)1.2 SW29(1.5stagger)1.2 60.16,32.69 D11.2
Net-(D12-Pad2): length 10.3
  Bottom w0.2: SW41(1.5)1.2 SW41.2 55.4,15.23 56.04,14.6
Net-(D13-Pad2): length 3.9
  Bottom w0.2: SW4.2 69.69,73.97 D13.2
Net-(D14-Pad2): length 3.9
  Bottom w0.2: SW17.2 69.69,54.92 D14.2
Net-(D15-Pad2): length 16.6
  Bottom w0.2: D15.2 79.22,32.69 SW30(1.5stagger)1.2 SW30(ortho)1.2
Net-(D16-Pad2): length 3.9
  Bottom w0.2: SW5.2 88.74,73.97 D16.2
Net-(D17-Pad2): length 3.9
  Bottom w0.2: D17.2 88.74,54.92 SW18.2
Net-(D18-Pad2): length 16.6
  Bottom w0.2: SW31(ortho)1.2 SW31(1.5stagger)1.2 98.27,32.69 D18.2
Net-(D20-Pad2): length 3.9
  Bottom w0.2: SW6.2 107.79,73.97 D20.2
Net-(D21-Pad2): length 3.9
  Bottom w0.2: D21.2 107.79,54.92 SW19.2
Net-(D22-Pad2): length 16.6
  Bottom w0.2: SW32(ortho)1.2 SW32(1.5stagger)1.2 117.31,32.69 D22.2
Net-(D23-Pad2): length 9.6
  Bottom w0.2: SW43(2)1.2 110.17,15.1 SW43(1.75)1.2 114.78,10.52 D23.2
Net-(D24-Pad2): length 5.5
  Bottom w0.2: SW44(4)1.2 126.84,10.47 D24.2
Net-(D27-Pad2): length 3.9
  Bottom w0.2: SW8.2 145.89,73.97 D27.2
Net-(D28-Pad2): length 3.9
  Bottom w0.2: D28.2 145.89,54.92 SW21.2
Net-(D29-Pad2): length 16.6
  Bottom w0.2: SW33(1.5stagger)1.2 SW33(ortho)1.2 145.89,32.69 D29.2
Net-(D30-Pad2): length 14.7
  Bottom w0.2: SW45(1.75)1.2 145.88,15.11 SW45(2)1.2 150.78,15.1 D30.2
Net-(D31-Pad2): length 3.9
  Bottom w0.2: D31.2 164.94,73.97 SW9.2
Net-(D32-Pad2): length 3.9
  Bottom w0.2: SW22.2 164.94,54.92 D32.2
Net-(D33-Pad2): length 16.6
  Bottom w0.2: SW34(1.5stagger)1.2 SW34(ortho)1.2 164.94,32.69 D33.2
Net-(D35-Pad2): length 3.9
  Bottom w0.2: SW10.2 183.99,73.97 D35.2
Net-(D36-Pad2): length 3.9
  Bottom w0.2: SW23.2 183.99,54.92 D36.2
Net-(D37-Pad2): length 16.6
  Bottom w0.2: SW35(1.5stagger)1.2 SW35(ortho)1.2 183.99,32.69 D37.2
Net-(D38-Pad2): length 3.9
  Bottom w0.2: D38.2 203.04,73.97 SW11.2
Net-(D39-Pad2): length 13.1
  Bottom w0.2: D39.2 197.26,52.76 197.26,53.33 201.9,57.96 SW24.2 SW24(1.5)1.2
Net-(D40-Pad2): length 16.6
  Bottom w0.2: SW36(1.5stagger)1.2 SW36(ortho)1.2 203.04,32.69 D40.2
Net-(D41-Pad2): length 10.3
  Bottom w0.2: 198.28,19.86 SW47(1.5)1.2 203.04,15.23 203.67,14.6
Net-(D42-Pad2): length 17.8
  Bottom w0.2: 216.38,71.75 216.38,72.31 221.07,77.01 SW12.2 SW12(2)1.2
Net-(D43-Pad2): length 7.9
  Bottom w0.2: SW25.2 221.64,57.96 D43.2
Net-(D44-Pad2): length 16.6
  Bottom w0.2: SW37(1.5stagger)1.2 SW37(ortho)1.2 222.09,32.69 D44.2
Net-(D45-Pad2): length 5.5
  Bottom w0.2: 217.96,14.6 217.33,15.23 SW48.2
Net-(D47-Pad2): length 15.1
  Bottom w0.2: SW26(2)1.2 SW26.2 241.14,53.33 D47.2
Net-(D48-Pad2): length 12.4
  Bottom w0.2: D48.2 242.35,33.01 242.35,37.71 SW38(ortho)1.2 236.38,38.91
Net-(D49-Pad2): length 10.3
  Bottom w0.2: 237.01,14.6 236.38,15.23 236.38,19.86 SW49(1.5)1.2

## Copper pours and planes (outline as drawn; the poured copper is in the pictures)
+1V1 on Bottom: 17.75,46.39 20.3,48.94 22.7,46.53 20.86,44.69 21.43,44.13 21.99,44.69 21.85,44.84 23.55,46.53 20.44,49.64 18.46,47.66 18.32,47.81 18.03,47.52 17.75,47.81 17.04,47.1
+3V3 on Bottom: 11.61,46.27 14.18,43.66 16.79,46.26 20.44,42.57 24.4,46.53 20.44,50.49 18.46,48.51 17.9,48.12 13.64,48.33
GND on Top, Bottom: 249.08,82.03 249.08,-4.71 -1.62,-4.84 -1.49,83.3

## Text on the board
B.Silkscreen: JLCJLCJLCJLC | Rotary 2 | Rotary 1 | Boot | buzzer | Rotary 5 | Reset | Rotary 3 | Rotary 4 | Indicator LEDs | TP | Rotary 6
